# KiCad board pcb_l.kicad_pcb
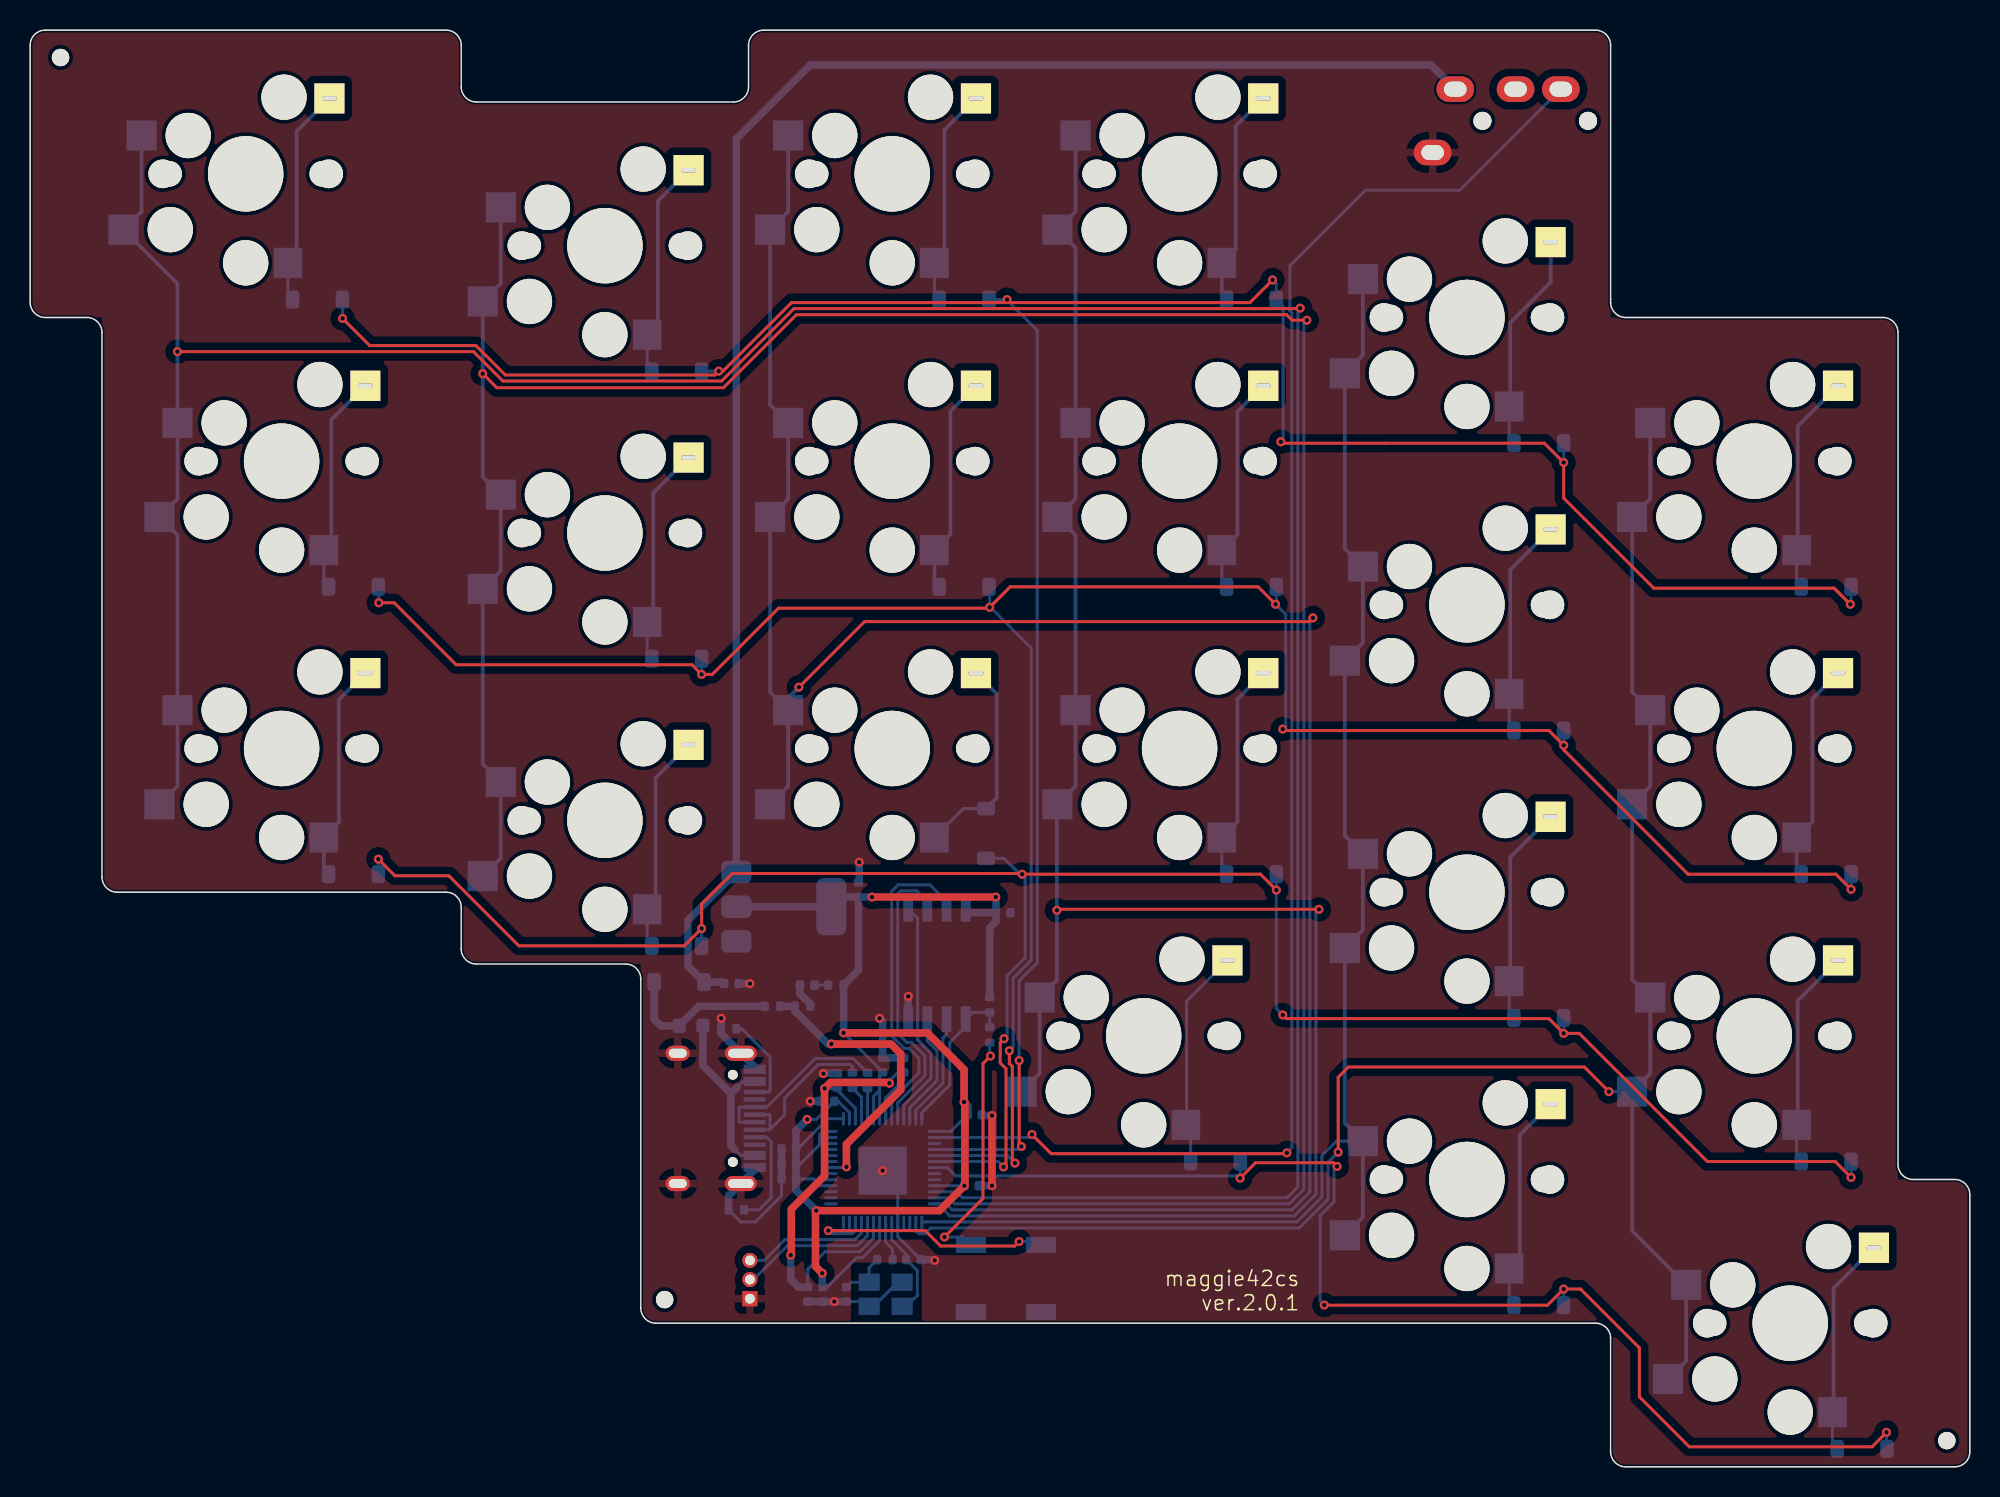
[diagram p0: board, top side]
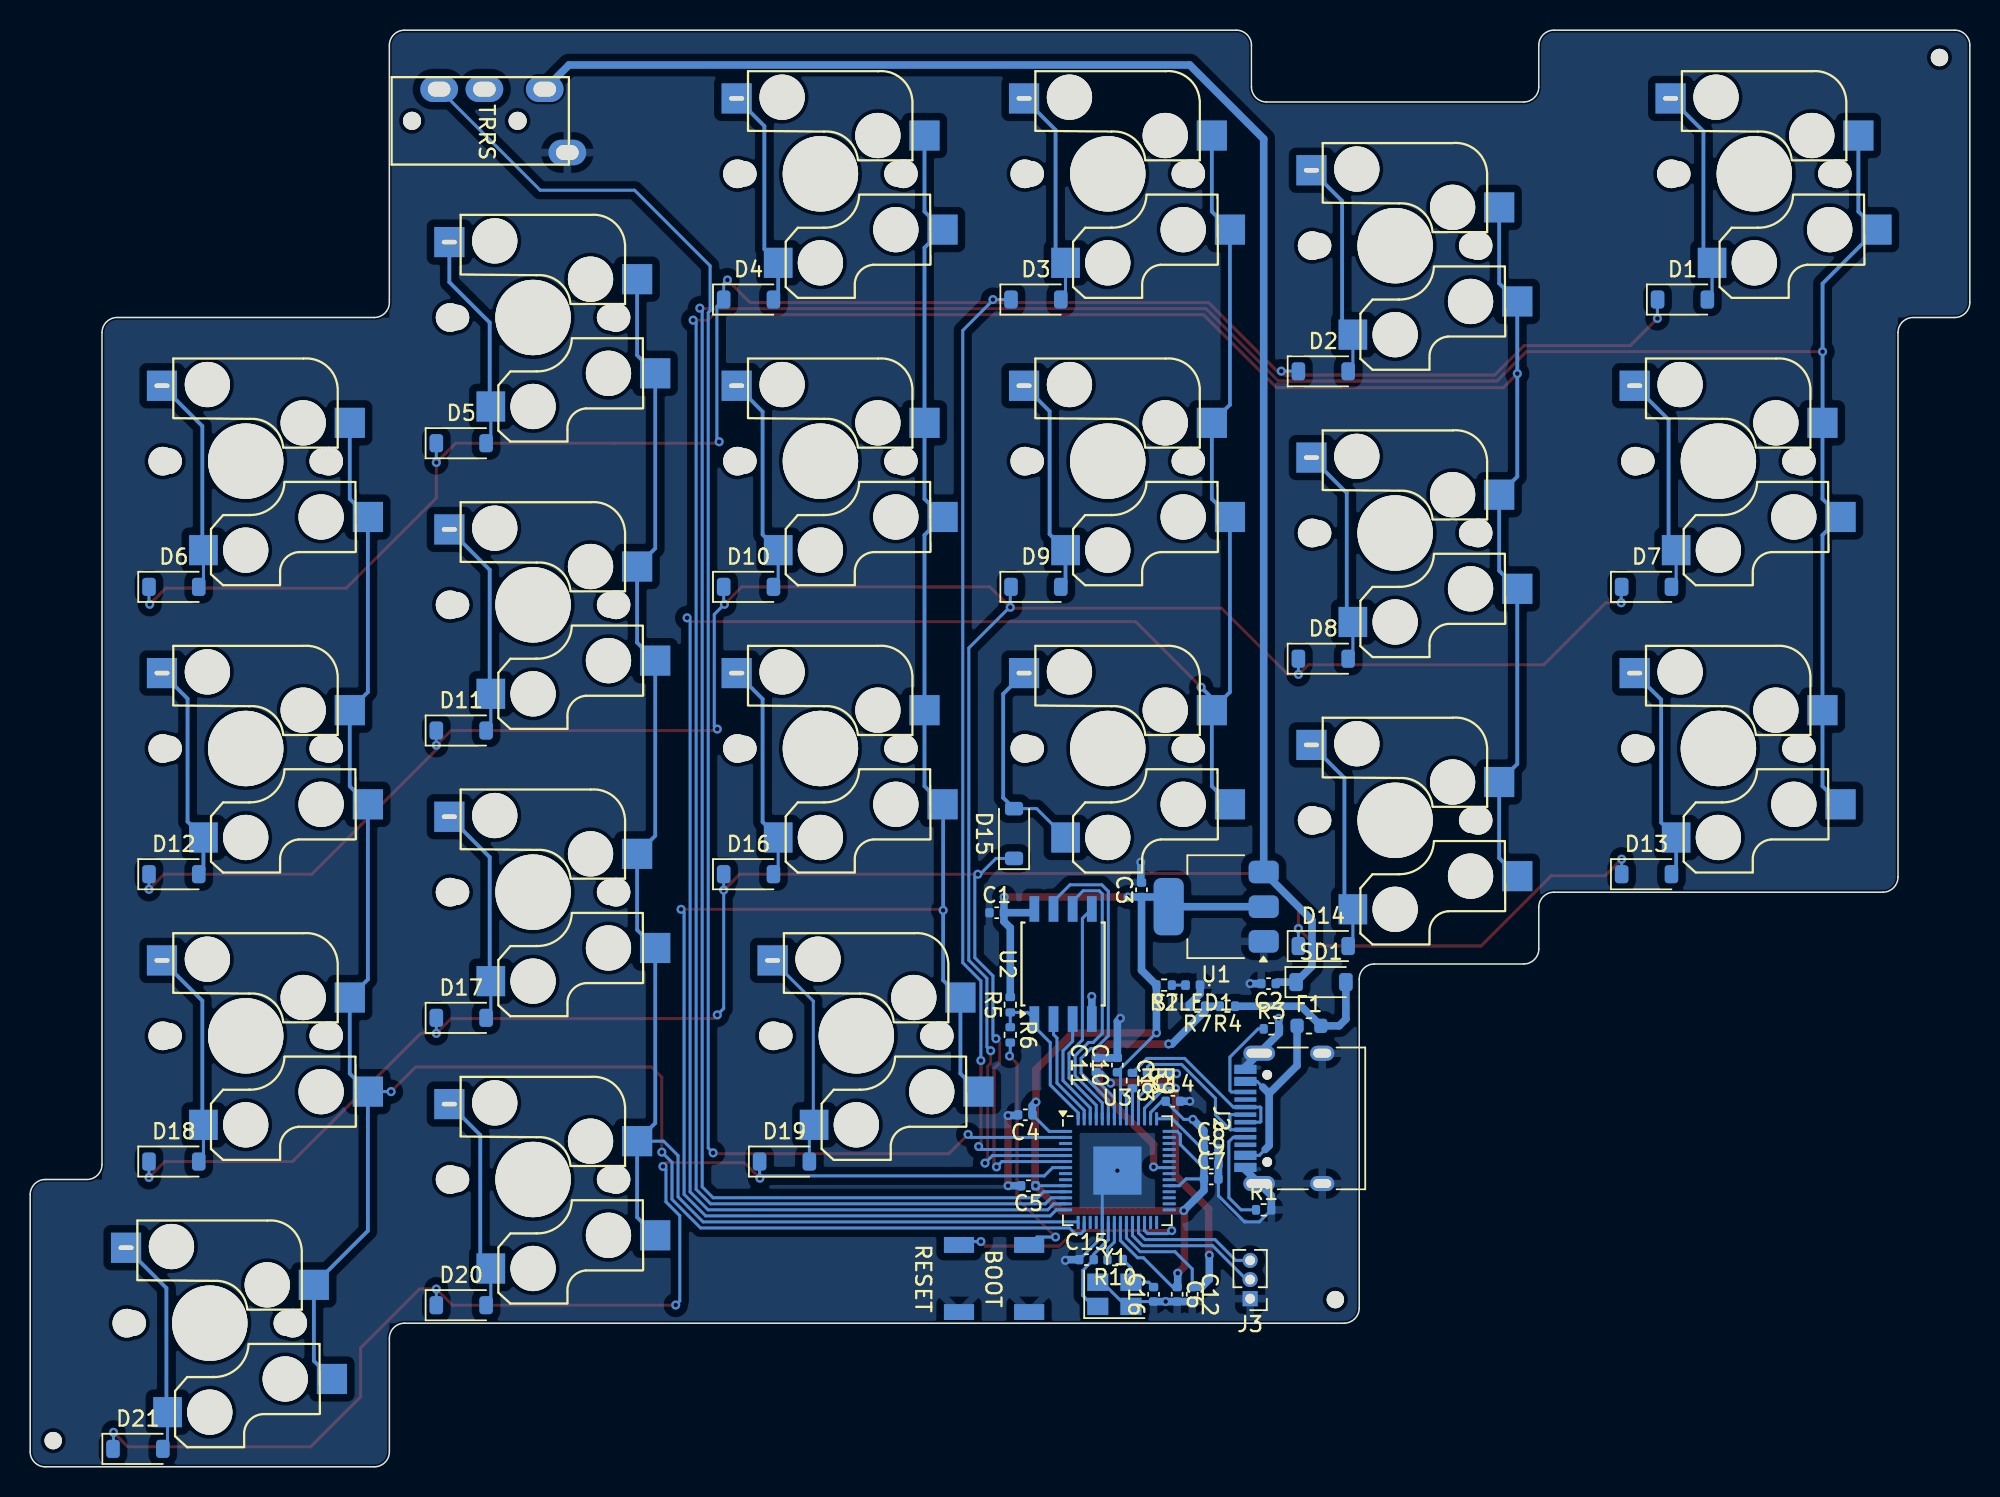
[diagram p1: board, bottom side, seen from below]

Outline 128.59 x 95.25 mm; copper layers: Top, Bottom. Coordinates in mm from the lower left corner of the outline.
Outline path: 0,94.25 arc(0.29,94.96) 1,95.25 27.57,95.25 arc(28.28,94.96) 28.57,94.25 28.57,91.49 arc(28.87,90.78) 29.57,90.49 46.62,90.49 arc(47.33,90.78) 47.62,91.49 47.62,94.25 arc(47.92,94.96) 48.62,95.25 103.78,95.25 arc(104.48,94.96) 104.78,94.25 104.78,77.2 arc(105.07,76.49) 105.78,76.2 122.83,76.2 arc(123.53,75.91) 123.83,75.2 123.83,20.05 arc(124.12,19.34) 124.83,19.05 127.59,19.05 arc(128.29,18.76) 128.59,18.05 128.59,1 arc(128.29,0.29) 127.59,0 105.78,0 arc(105.07,0.29) 104.78,1 104.78,8.52 arc(104.48,9.23) 103.78,9.52 41.48,9.52 arc(40.77,9.82) 40.48,10.52 40.48,32.34 arc(40.19,33.04) 39.48,33.34 29.57,33.34 arc(28.87,33.63) 28.57,34.34 28.57,37.1 arc(28.28,37.81) 27.57,38.1 5.76,38.1 arc(5.06,38.39) 4.76,39.1 4.76,75.2 arc(4.47,75.91) 3.76,76.2 1,76.2 arc(0.29,76.49) 0,77.2 0,94.25
Stack: Top 0.035mm / dielectric 1.51mm FR4 er 4.5 / Bottom 0.035mm

## Placement (name value [footprint] x y rotation side)
C1  100n  [C_0402_1005Metric]  64.51 36.74 180 bottom
C2  10u  [C_0402_1005Metric]  46.49 32.04 0 bottom
C3  10u  [C_0402_1005Metric]  54.91 38.26 90 bottom
C4  100n  [C_0402_1005Metric]  62.61 23.34 0 bottom
C5  100n  [C_0402_1005Metric]  62.41 18.64 0 bottom
C6  100n  [C_0402_1005Metric]  52.55 11.44 270 bottom
C7  100n  [C_0402_1005Metric]  50.29 19.09 180 bottom
C8  100n  [C_0402_1005Metric]  50.29 21.09 180 bottom
C9  100n  [C_0402_1005Metric]  50.29 20.09 180 bottom
C10  100n  [C_0402_1005Metric]  56.51 26.64 90 bottom
C11  100n  [C_0402_1005Metric]  57.91 26.64 90 bottom
C12  100n  [C_0402_1005Metric]  51.55 11.44 270 bottom
C13  1u  [C_0402_1005Metric]  53.51 25.62 90 bottom
C14  1u  [C_0402_1005Metric]  52.83 24.24 180 bottom
C15  27p  [C_0402_1005Metric]  58.56 13.74 180 bottom
C16  27p  [C_0402_1005Metric]  54.11 11.44 90 bottom
D1  D  [D_SOD-123]  19.05 77.39 180 bottom
D2  D  [D_SOD-123]  42.86 72.63 180 bottom
D3  D  [D_SOD-123]  61.91 77.39 180 bottom
D4  D  [D_SOD-123]  80.96 77.39 180 bottom
D5  D  [D_SOD-123]  100.01 67.87 180 bottom
D6  D  [D_SOD-123]  119.06 58.34 180 bottom
D7  D  [D_SOD-123]  21.43 58.34 180 bottom
D8  D  [D_SOD-123]  42.86 53.58 180 bottom
D9  D  [D_SOD-123]  61.91 58.34 180 bottom
D10  D  [D_SOD-123]  80.96 58.34 180 bottom
D11  D  [D_SOD-123]  100.01 48.82 180 bottom
D12  D  [D_SOD-123]  119.06 39.29 180 bottom
D13  D  [D_SOD-123]  21.43 39.29 180 bottom
D14  D  [D_SOD-123]  42.86 34.53 180 bottom
D15  D  [D_SOD-123]  63.36 41.99 90 bottom
D16  D  [D_SOD-123]  80.96 39.29 180 bottom
D17  D  [D_SOD-123]  100.01 29.77 180 bottom
D18  D  [D_SOD-123]  119.06 20.24 180 bottom
D19  D  [D_SOD-123]  78.58 20.24 180 bottom
D20  D  [D_SOD-123]  100.01 10.72 180 bottom
D21  D  [D_SOD-123]  121.44 1.19 180 bottom
F1  ~  [Fuse_0603_1608Metric]  43.81 29.24 180 bottom
J1  AudioJack3  [MJ-4PP-9_1side]  104.78 89.24 90 bottom
J2  USB_C_Receptacle_USB2.0_16P  [USB_C_Receptacle_HRO_TYPE-C-31-M-12]  43.98 23.1 90 bottom
J3  Conn_01x03_Pin  [PinHeader_1x03_P1.27mm_Vertical]  47.71 11.15 0 bottom
R1  5.1k  [R_0402_1005Metric]  46.81 17.04 180 bottom
R2  1k  [R_0402_1005Metric]  53.41 31.94 0 bottom
R3  5.1k  [R_0402_1005Metric]  46.3 29.04 180 bottom
R4  5.6k  [R_0402_1005Metric]  49.21 30.54 0 bottom
R5  10k  [R_0402_1005Metric]  63.61 30.64 90 bottom
R6  1k  [R_0402_1005Metric]  63.61 28.64 270 bottom
R7  10k  [R_0402_1005Metric]  51.21 30.54 0 bottom
R8  27  [R_0402_1005Metric]  55.51 25.61 270 bottom
R9  27  [R_0402_1005Metric]  54.51 25.62 270 bottom
R10  1k  [R_0402_1005Metric]  56.66 13.74 0 bottom
REF**  -  [JLCPCB Tooling Hole]  42.06 11.09 0 top
REF**#2  -  [JLCPCB Tooling Hole]  2.01 93.44 0 top
REF**#3  -  [JLCPCB Tooling Hole]  127.06 1.74 0 top
SD1  ~  [D_SOD-123]  43.01 32.14 180 bottom
SMDSW1  BOOT  [TS-1088R-02026]  62.36 12.49 90 bottom
SMDSW2  RESET  [TS-1088R-02026]  67.01 12.49 90 bottom
STLED1  GREEN  [LED_0402_1005Metric]  51.51 31.94 0 bottom
SW1  SW_PUSH  [CherryMX_ChocV2_Hotswap_1.5u]  14.29 85.72 0 top
SW2  SW_PUSH  [CherryMX_ChocV2_Hotswap]  38.1 80.96 0 top
SW3  SW_PUSH  [CherryMX_ChocV2_Hotswap]  57.15 85.72 0 top
SW4  SW_PUSH  [CherryMX_ChocV2_Hotswap]  76.2 85.72 0 top
SW5  SW_PUSH  [CherryMX_ChocV2_Hotswap]  95.25 76.2 0 top
SW6  SW_PUSH  [CherryMX_ChocV2_Hotswap]  114.3 66.67 0 top
SW7  SW_PUSH  [CherryMX_ChocV2_Hotswap_1.25u]  16.67 66.67 0 top
SW8  SW_PUSH  [CherryMX_ChocV2_Hotswap]  38.1 61.91 0 top
SW9  SW_PUSH  [CherryMX_ChocV2_Hotswap]  57.15 66.67 0 top
SW10  SW_PUSH  [CherryMX_ChocV2_Hotswap]  76.2 66.67 0 top
SW11  SW_PUSH  [CherryMX_ChocV2_Hotswap]  95.25 57.15 0 top
SW12  SW_PUSH  [CherryMX_ChocV2_Hotswap]  114.3 47.62 0 top
SW13  SW_PUSH  [CherryMX_ChocV2_Hotswap_1.25u]  16.67 47.62 0 top
SW14  SW_PUSH  [CherryMX_ChocV2_Hotswap]  38.1 42.86 0 top
SW15  SW_PUSH  [CherryMX_ChocV2_Hotswap]  57.15 47.62 0 top
SW16  SW_PUSH  [CherryMX_ChocV2_Hotswap]  76.2 47.62 0 top
SW17  SW_PUSH  [CherryMX_ChocV2_Hotswap]  95.25 38.1 0 top
SW18  SW_PUSH  [CherryMX_ChocV2_Hotswap]  114.3 28.57 0 top
SW19  SW_PUSH  [CherryMX_ChocV2_Hotswap_1.25u]  73.82 28.57 0 top
SW20  SW_PUSH  [CherryMX_ChocV2_Hotswap]  95.25 19.05 0 top
SW21  SW_PUSH  [CherryMX_ChocV2_Hotswap_1.25u]  116.68 9.52 0 top
U1  NCP1117-3.3_SOT223  [SOT-223-3_TabPin2]  49.96 37.14 0 bottom
U2  W25Q128JVSIQ  [SOIC-8W_5.3x5.3mm_P1.27mm]  60.11 33.34 90 bottom
U3  RP2040  [QFN-56-1EP_7x7mm_P0.4mm_EP3.2x3.2mm]  56.51 19.64 180 bottom
Y1  12MHz  [Crystal_SMD_SeikoEpson_TSX3225-4Pin_3.2x2.5mm]  56.71 11.44 180 bottom

## Library data of the parts
C1 C4-C12 = -: Description: Unpolarized capacitor, small symbol; LCSC: C1525; ki_fp_filters: C_*
C2 C3 = -: Description: Unpolarized capacitor, small symbol; LCSC: C15525; ki_fp_filters: C_*
C13 C14 = -: Description: Unpolarized capacitor, small symbol; LCSC: C52923; ki_fp_filters: C_*
C15 C16 = -: Description: Unpolarized capacitor, small symbol; LCSC: C1557; ki_fp_filters: C_*
D1-D21 = -: Description: Diode, small symbol; Sim.Pins: 1=K 2=A; LCSC: C81598; ki_fp_filters: TO-???* *_Diode_* *SingleDiode* D_*
F1 = -: Description: Resettable fuse, polymeric positive temperature coefficient, small symbol; LCSC: C2757930; ki_fp_filters: *polyfuse* *PTC*
J1 = -: Description: 4-pin (audio) jack receptable (stereo + 4th pin/TRRS connector), compatible with PJ320A; LCSC: C22459514
J2 = -: Datasheet: https://www.usb.org/sites/default/files/documents/usb_type-c.zip; Description: USB 2.0-only 16P Type-C Receptacle connector; LCSC: C165948; ki_fp_filters: USB*C*Receptacle*
J3 = -: Description: Generic connector, single row, 01x03, script generated; ki_fp_filters: Connector*:*_1x??_*
R1 R3 = -: Description: Resistor, small symbol; LCSC: C25905; ki_fp_filters: R_*
R2 R6 R10 = -: Description: Resistor, small symbol; LCSC: C11702; ki_fp_filters: R_*
R4 = -: Description: Resistor, small symbol; LCSC: C25908; ki_fp_filters: R_*
R5 R7 = -: Description: Resistor, small symbol; LCSC: C25744; ki_fp_filters: R_*
R8 R9 = -: Description: Resistor, small symbol; LCSC: C25100; ki_fp_filters: R_*
SD1 = -: Description: Schottky diode, small symbol; LCSC: C8598; ki_fp_filters: TO-???* *_Diode_* *SingleDiode* D_*
SMDSW1 SMDSW2 = -: Description: Push button switch, generic, two pins; LCSC: C455280
STLED1 = -: Description: Light emitting diode, small symbol; LCSC: C130723; ki_fp_filters: LED* LED_SMD:* LED_THT:*
SW1-SW21 = -: Description: Push button switch, generic, two pins
U1 = -: Datasheet: http://www.onsemi.com/pub_link/Collateral/NCP1117-D.PDF; Description: 1A Low drop-out regulator, Fixed Output 3.3V, SOT-223; LCSC: C347222; ki_fp_filters: SOT?223*TabPin2*
U2 = -: Datasheet: http://www.winbond.com/resource-files/w25q128jv_dtr%20revc%2003272018%20plus.pdf; Description: 128Mb Serial Flash Memory, Standard/Dual/Quad SPI, SOIC-8; LCSC: C97521; ki_fp_filters: SOIC*5.23x5.23mm*P1.27mm*
U3 = -: Datasheet: https://datasheets.raspberrypi.com/rp2040/rp2040-datasheet.pdf; Description: A microcontroller by Raspberry Pi; LCSC: C2040; ki_fp_filters: QFN*1EP*7x7mm?P0.4mm*
Y1 = -: Description: Four pin crystal, GND on pins 2 and 4, small symbol; LCSC: C91749; ki_fp_filters: Crystal*

## Footprints (pads in the part's own frame, mm; a bottom-side part is the same pattern mirrored in y, then rotated)
C_0402_1005Metric
  rrect 0.56x0.62 smd: 1(-0.48,0) 2(0.48,0)
CherryMX_ChocV2_Hotswap
  round 1.9 hole 1.9 unplated: (-5.5,0) (5.5,0)
  round 1.7 hole 1.7 unplated: (-5.08,0) (5.08,0)
  round 3 hole 3 unplated: (-5,-3.7) (-3.81,2.54) (0,-5.9) (2.54,5.08)
  round 4 hole 4 unplated: (0,0)
  round 5 hole 5 unplated: (0,0)
  rect 2x2 smd far side: 1(-8.1,-3.7) 1(-6.9,2.54)
  rect 1.9x2 smd far side: 2(2.8,-5.9)
  rect 2x2 hole 1x0.3: 2(5.55,5)
CherryMX_ChocV2_Hotswap_1.5u
  round 1.9 hole 1.9 unplated: (-5.5,0) (5.5,0)
  round 1.7 hole 1.7 unplated: (-5.08,0) (5.08,0)
  round 3 hole 3 unplated: (-5,-3.7) (-3.81,2.54) (0,-5.9) (2.54,5.08)
  round 4 hole 4 unplated: (0,0)
  round 5 hole 5 unplated: (0,0)
  rect 2x2 smd far side: 1(-8.1,-3.7) 1(-6.9,2.54)
  rect 1.9x2 smd far side: 2(2.8,-5.9)
  rect 2x2 hole 1x0.3: 2(5.55,5)
CherryMX_ChocV2_Hotswap_1.25u
  round 1.9 hole 1.9 unplated: (-5.5,0) (5.5,0)
  round 1.7 hole 1.7 unplated: (-5.08,0) (5.08,0)
  round 3 hole 3 unplated: (-5,-3.7) (-3.81,2.54) (0,-5.9) (2.54,5.08)
  round 4 hole 4 unplated: (0,0)
  round 5 hole 5 unplated: (0,0)
  rect 2x2 smd far side: 1(-8.1,-3.7) 1(-6.9,2.54)
  rect 1.9x2 smd far side: 2(2.8,-5.9)
  rect 2x2 hole 1x0.3: 2(5.55,5)
Crystal_SMD_SeikoEpson_TSX3225-4Pin_3.2x2.5mm
  rect 1.4x1.15 smd: 1(-1.1,-0.8) 2(1.1,-0.8) 3(1.1,0.8) 4(-1.1,0.8)
D_SOD-123
  rrect 0.9x1.2 smd: 1(-1.65,0) 2(1.65,0)
Fuse_0603_1608Metric
  rrect 0.875x0.95 smd: 1(-0.787,0) 2(0.787,0)
JLCPCB Tooling Hole
  round 1.3 hole 1.152 unplated: (0,0)
LED_0402_1005Metric
  rrect 0.59x0.64 smd: 1(-0.485,0) 2(0.485,0)
MJ-4PP-9_1side
  round 1.2 hole 1.2 unplated: (0,-8.5) (0,-1.5)
  oval 1.7x2.5 hole 1x1.5: A(-2.1,-11.8) B(2.1,-3.3) C(2.1,-6.3) D(2.1,-10.3)
PinHeader_1x03_P1.27mm_Vertical
  rect 1x1 hole 0.65: 1(0,0)
  oval 1x1 hole 0.65: 2(0,-1.27) 3(0,-2.54)
QFN-56-1EP_7x7mm_P0.4mm_EP3.2x3.2mm
  rrect 1.29x1.29 smd: (-0.8,-0.8) (-0.8,0.8) (0.8,-0.8) (0.8,0.8)
  rrect 0.875x0.2 smd: 1(-3.438,2.6) 2(-3.438,2.2) 3(-3.438,1.8) 4(-3.438,1.4) 5(-3.438,1) 6(-3.438,0.6) 7(-3.438,0.2) 8(-3.438,-0.2) 9(-3.438,-0.6) 10(-3.438,-1) 11(-3.438,-1.4) 12(-3.438,-1.8) 13(-3.438,-2.2) 14(-3.438,-2.6) 29(3.438,-2.6) 30(3.438,-2.2) 31(3.438,-1.8) 32(3.438,-1.4) 33(3.438,-1) 34(3.438,-0.6) 35(3.438,-0.2) 36(3.438,0.2) 37(3.438,0.6) 38(3.438,1) 39(3.438,1.4) 40(3.438,1.8) 41(3.438,2.2) 42(3.438,2.6)
  rrect 0.2x0.875 smd: 15(-2.6,-3.438) 16(-2.2,-3.438) 17(-1.8,-3.438) 18(-1.4,-3.438) 19(-1,-3.438) 20(-0.6,-3.438) 21(-0.2,-3.438) 22(0.2,-3.438) 23(0.6,-3.438) 24(1,-3.438) 25(1.4,-3.438) 26(1.8,-3.438) 27(2.2,-3.438) 28(2.6,-3.438) 43(2.6,3.438) 44(2.2,3.438) 45(1.8,3.438) 46(1.4,3.438) 47(1,3.438) 48(0.6,3.438) 49(0.2,3.438) 50(-0.2,3.438) 51(-0.6,3.438) 52(-1,3.438) 53(-1.4,3.438) 54(-1.8,3.438) 55(-2.2,3.438) 56(-2.6,3.438)
  rect 3.2x3.2 smd: 57(0,0)
R_0402_1005Metric
  rrect 0.54x0.64 smd: 1(-0.51,0) 2(0.51,0)
SOIC-8W_5.3x5.3mm_P1.27mm
  rect 1.7x0.65 smd: 1(-3.65,1.905) 2(-3.65,0.635) 3(-3.65,-0.635) 4(-3.65,-1.905) 5(3.65,-1.905) 6(3.65,-0.635) 7(3.65,0.635) 8(3.65,1.905)
SOT-223-3_TabPin2
  rrect 2x1.5 smd: 1(-3.15,2.3) 2(-3.15,0) 3(-3.15,-2.3)
  rrect 2x3.8 smd: 2(3.15,0)
TS-1088R-02026
  rect 1.05x2 smd: 1(-2.225,0) 2(2.225,0)
USB_C_Receptacle_HRO_TYPE-C-31-M-12
  round 0.65 hole 0.65 unplated: (-2.89,2.6) (2.89,2.6)
  rect 0.6x1.45 smd: A1(-3.25,4.045) A4(-2.45,4.045) A9(2.45,4.045) A12(3.25,4.045) B1(3.25,4.045) B4(2.45,4.045) B9(-2.45,4.045) B12(-3.25,4.045)
  rect 0.3x1.45 smd: A5(-1.25,4.045) A6(-0.25,4.045) A7(0.25,4.045) A8(1.25,4.045) B5(1.75,4.045) B6(0.75,4.045) B7(-0.75,4.045) B8(-1.75,4.045)
  oval 1x1.6 hole 0.6x1.2: S1(-4.32,-1.05) S1(4.32,-1.05)
  oval 1x2.1 hole 0.6x1.7: S1(-4.32,3.13) S1(4.32,3.13)

## Nets
+1V1: C11.1 C12.1 C13.1 U3.23 U3.45 U3.50
+3V3: C1.2 C3.1 C4.1 C5.1 C6.1 C7.1 C8.1 C9.1 C10.1 C14.1 R2.2 R5.2 U1.2 U2.8 U3.1 U3.10 U3.22 U3.33 U3.42 U3.43 U3.44 U3.48 U3.49
+5V: C2.1 J1.D SD1.1 U1.3
GND: C1.1 C2.2 C3.2 C4.2 C5.2 C6.2 C7.2 C8.2 C9.2 C10.2 C11.2 C12.2 C13.2 C14.2 C15.1 C16.1 J1.A J2.A1 J2.A12 J2.B1 J2.B12 J2.S1 J3.1 R1.2 R3.2 R7.2 SMDSW1.1 SMDSW2.1 STLED1.1 U1.1 U2.4 U3.19 U3.57 Y1.2 Y1.4
VBUS: F1.1 J2.A4 J2.A9 J2.B4 J2.B9
COL0: SW1.1 SW7.1 SW13.1 U3.11
COL1: SW2.1 SW8.1 SW14.1 U3.12
COL2: SW3.1 SW9.1 SW15.1 U3.13
COL3: SW4.1 SW10.1 SW16.1 SW19.1 U3.14
COL4: SW5.1 SW11.1 SW17.1 SW20.1 U3.15
COL5: SW6.1 SW12.1 SW18.1 SW21.1 U3.16
CONN: J1.B U3.2
D+: J2.A6 J2.B6 R8.1
D-: J2.A7 J2.B7 R9.1
QSPI_SCLK: U2.6 U3.52
QSPI_SD0: U2.5 U3.53
QSPI_SD1: U2.2 U3.55
QSPI_SD2: U2.3 U3.54
QSPI_SD3: U2.7 U3.51
QSPI_SS: R5.1 R6.1 U2.1 U3.56
ROW0: D1.1 D2.1 D3.1 D4.1 D5.1 D6.1 U3.4
ROW1: D7.1 D8.1 D9.1 D10.1 D11.1 D12.1 U3.5
ROW2: D13.1 D14.1 D15.1 D16.1 D17.1 D18.1 U3.6
ROW3: D19.1 D20.1 D21.1 U3.7
SPLIT_USB_DETECT: R4.2 R7.1 U3.36
Net-(C16-Pad2): C16.2 R10.1 Y1.3
Net-(D1-A): D1.2 SW1.2
Net-(D2-A): D2.2 SW2.2
Net-(D3-A): D3.2 SW3.2
Net-(D4-A): D4.2 SW4.2
Net-(D5-A): D5.2 SW5.2
Net-(D6-A): D6.2 SW6.2
Net-(D7-A): D7.2 SW7.2
Net-(D8-A): D8.2 SW8.2
Net-(D9-A): D9.2 SW9.2
Net-(D10-A): D10.2 SW10.2
Net-(D11-A): D11.2 SW11.2
Net-(D12-A): D12.2 SW12.2
Net-(D13-A): D13.2 SW13.2
Net-(D14-A): D14.2 SW14.2
Net-(D15-A): D15.2 SW15.2
Net-(D16-A): D16.2 SW16.2
Net-(D17-A): D17.2 SW17.2
Net-(D18-A): D18.2 SW18.2
Net-(D19-A): D19.2 SW19.2
Net-(D20-A): D20.2 SW20.2
Net-(D21-A): D21.2 SW21.2
Net-(J2-CC1): J2.A5 R1.1
Net-(J2-CC2): J2.B5 R3.1
Net-(J3-Pin_2): J3.2 U3.24
Net-(J3-Pin_3): J3.3 U3.25
Net-(R6-Pad2): R6.2 SMDSW1.2
Net-(SD1-A): F1.2 R4.1 SD1.2
Net-(STLED1-A): R2.1 STLED1.2
Net-(U3-RUN): SMDSW2.2 U3.26
Net-(U3-USB_DM): R9.2 U3.46
Net-(U3-USB_DP): R8.2 U3.47
Net-(U3-XIN): C15.2 U3.20 Y1.1
Net-(U3-XOUT): R10.2 U3.21

Pads without a net: J1 C; J2 A8 B8; U3 3 8 9 17 18 27 28 29 30 31 32 34 35 37 38 39 40 41

## Via types
v1: diameter 0.6, hole 0.3, Top to Bottom, 73 vias

## Routing (per net, layer and track width the routed paths; a pad name or vN(x,y) marks a point on that pad's centre or on a via; arc(x,y) is an arc through that point)
+1V1: length 35.1
  Top w0.5: v1(56.96,25.44) 56.91,25.49 53.06,25.49 v1(52.66,25.09) 52.66,19.29 50.46,17.09 50.46,14.07 v1(50.42,14.03)
  Bottom w0.2: v1(52.66,25.09) 53.4,25.09 54.71,23.77 U3.45 ; U3.23 55.91,15.17 55.01,14.26 52.7,14.26 51.55,13.12 C12.1 ; U3.50 56.71,24.47 57.91,25.67 C11.1 57.53,26.16 56.96,25.59 v1(56.96,25.44)
  Bottom w0.5: v1(50.42,14.03) 50.42,12.43 50.93,11.92 C12.1
+3V3: length 110
  Top w0.5: v1(53.92,28.77) 59.48,28.77 61.91,26.34 v1(61.91,24.19) 61.96,24.14 61.96,18.67 v1(61.93,18.64) 60.28,16.99 v1(52.11,16.99) 52.06,16.94 52.06,13.29 v1(52.51,12.84) ; v1(64.01,37.78) v1(55.81,37.78)
  Bottom w0.2: v1(51.51,23.04) 52.11,23.04 C14.1 53.56,24.24 54.31,23.49 U3.44 ; U3.43 52.87,23.07 50.89,21.09 C8.1 ; C7.1 51.96,19.09 52.41,18.64 U3.33 ; U3.49 56.31,24.96 ; C4.1 61.03,22.24 U3.1 ; U3.48 55.91,24.56 56.31,24.96 56.31,25.96 C10.1 56.51,26.18 v1(53.92,28.77) ; U3.42 52.54,22.24 52.34,22.03 52.34,21.36 51.06,20.09 C9.1 ; U3.22 56.31,15 55.17,13.86 54.79,13.86 52.84,11.92 C6.1 ; v1(61.93,18.64) U3.10
  Bottom w0.5: v1(64.01,37.78) 64.03,37.76 C1.2 ; R5.2 63.61,35.74 64.03,36.16 C1.2 ; v1(51.51,23.04) 50.77,22.3 C8.1 C9.1 C7.1 50.77,18.33 v1(52.11,16.99) ; v1(53.92,28.77) R2.2 54.91,32.93 C3.1 ; v1(55.81,37.78) 53.75,37.78 U1.2 U1.2 ; C4.1 62.16,23.37 62.16,23.94 v1(61.91,24.19) ; U2.8 62.27,36.74 C1.2 ; v1(52.51,12.84) 52.51,11.95 C6.1
+5V: length 109.4
  Bottom w0.5: C2.1 45.91,32.14 SD1.1 43.61,33.19 43.61,36.24 U1.3 46.81,88.04 51.71,92.94 92.88,92.94 J1.D
GND: length 47.4
  Top w0.5: v1(63.76,18.64) v1(63.76,23.29)
  Bottom w0.2: v1(56.51,19.64) 57.51,18.64 U3.19 57.51,15.27 C15.1 ; R1.2 47.1,16.24 48.08,16.24 49.81,17.97 C7.2 ; C16.1 55.29,10.96 Y1.2 55.91,10.64 57.51,12.24 Y1.4
  Bottom w0.5: C12.2 C6.2 v1(53.31,10.96) C16.1 ; v1(56.31,29.74) 56.51,29.54 C10.2 57.51,27.12 ; C2.2 v1(47.71,32.04) ; R1.2 46.3,17.97 J2.S1 48.03,19.7 J2.A1 ; STLED1.1 51.03,31.36 51.72,30.67 R7.2 ; v1(52.59,26.07) 52.62,26.1 C13.2 ; C8.2 C9.2 C7.2 ; v1(59.96,13.69) 59.91,13.74 C15.1 ; J2.A12 48.03,26.51 J2.S1 45.79,28.74 R3.2 45.81,29.06 v1(45.81,29.74) ; v1(54.96,40.09) 54.96,38.79 C3.2 ; v1(58.21,31.19) 58.21,31.18 U2.4 ; v1(63.76,18.64) C5.2 62.96,18.57 ; C4.2 63.14,23.29 v1(63.76,23.29) ; C14.2 v1(51.71,24.24)
VBUS: length 12.5
  Bottom w0.2: 46.71,21.04 47.1,20.65 J2.A4 ; 46.88,25.17 47.25,25.55 J2.A9
  Bottom w0.5: 46.71,21.04 46.45,21.3 46.45,24.75 ; 46.45,24.75 44.6,26.6 F1.1 ; 46.45,24.75 46.88,25.17
COL0: length 207.9
  Top w0.2: v1(9.76,73.94) 29.39,73.94 31.34,71.99 45.84,71.99 50.64,76.79 84.16,76.79 v1(84.19,76.82)
  Bottom w0.2: v1(84.19,76.82) 84.04,76.66 84.04,18.56 83.31,17.84 61.8,17.84 61.4,18.24 U3.11
  Bottom w0.25: SW13.1 9.77,45.12 SW13.1 9.77,61.77 SW7.1 9.77,64.17 SW7.1 9.76,69.22 v1(9.76,73.94) 9.76,78.45 SW1.1 7.39,83.22 7.39,88.26
COL1: length 186.8
  Top w0.2: v1(84.64,76.02) 83.65,76.02 83.29,76.39 50.8,76.39 45.96,71.55 30.93,71.55 v1(30,72.48)
  Bottom w0.2: U3.12 60.89,17.84 61.29,17.44 83.48,17.44 84.44,18.4 84.44,75.82 v1(84.64,76.02)
  Bottom w0.25: SW14.1 31.2,40.36 31.2,45.4 30,46.6 SW8.1 31.2,59.41 SW8.1 30,65.65 30,72.48 v1(30,72.48) 30,72.48 SW2.1 31.2,78.46 SW2.1
COL2: length 148.3
  Top w0.2: v1(50.96,51.69) 55.31,56.04 84.79,56.04 v1(85.04,56.29)
  Bottom w0.2: U3.13 60.73,17.44 61.13,17.04 83.64,17.04 84.84,18.23 84.84,56.09 v1(85.04,56.29)
  Bottom w0.25: SW15.1 49.05,51.36 SW9.1 50.25,64.17 SW9.1 49.05,70.41 SW3.1 50.25,83.22 SW3.1 ; v1(50.96,51.69) 50.25,50.97 50.25,45.12 SW15.1
COL3: length 129.4
  Top w0.2: v1(68.06,36.9) 68.13,36.96 v1(85.44,36.96)
  Bottom w0.2: v1(85.44,36.96) 85.24,36.76 85.24,18.07 83.81,16.64 60.96,16.64 60.56,17.04 U3.14 ; 68.17,43.92 SW16.1
  Bottom w0.25: SW4.1 69.3,83.22 SW4.1 69.3,80.82 SW10.1 69.3,64.17 SW10.1 69.3,61.77 SW16.1 69.3,45.12 SW16.1 68.06,43.89 68.06,32.26 SW19.1 66.92,26.07 SW19.1
COL4: length 99.9
  Bottom w0.2: SW20.1 86.59,21.59 85.64,20.64 85.64,17.9 83.98,16.24 59.15,16.24 U3.15
  Bottom w0.25: SW5.1 88.35,73.7 SW5.1 87.15,60.89 SW11.1 88.35,54.65 SW11.1 87.15,41.84 SW17.1 88.35,35.6 SW17.1 87.15,22.79 SW20.1 88.35,16.55 SW20.1
COL5: length 125.6
  Top w0.2: v1(86.71,20.86) 86.71,25.83 87.39,26.51 103.03,26.51 v1(104.66,24.88)
  Bottom w0.2: U3.16 58.71,15.67 58.92,15.46 59.31,15.46 59.69,15.84 84.14,15.84 86.04,17.73 86.04,20.19 v1(86.71,20.86) ; v1(104.66,24.88) SW18.1
  Bottom w0.25: SW6.1 107.4,64.17 SW6.1 106.2,51.36 SW12.1 107.4,45.12 SW12.1 106.2,32.31 SW18.1 107.4,26.07 SW18.1 106.2,15.65 SW21.1 109.78,7.02 SW21.1
CONN: length 105.8
  Top w0.2: v1(66.41,22.04) 67.69,20.76 83.26,20.76 v1(83.31,20.82)
  Bottom w0.2: v1(66.41,22.04) 66.21,21.84 U3.2 ; v1(83.31,20.82) 83.64,21.14 83.64,76.52 83.51,76.65 83.51,79.63 88.52,84.64 94.78,84.64 J1.B
D+: length 12.2
  Bottom w0.2: R8.1 54.55,27.08 52.05,27.08 48.83,23.85 J2.B6 47.05,23.85 47,23.8 47,22.9 47.05,22.85 J2.A6
D-: length 11.4
  Bottom w0.2: J2.A7 49,23.35 49.05,23.3 49.05,22.4 49,22.35 ; 49,22.35 49.03,22.35 50.01,23.34 50.01,24.44 52.25,26.68 54.36,26.68 54.51,26.53 R9.1 ; 49,22.35 J2.B7
QSPI_SCLK: length 19.4
  Bottom w0.2: U2.6 59.48,37.49 58.78,38.19 57.71,38.19 57.51,37.99 57.51,28.74 58.11,28.14 58.43,28.14 59.32,27.25 59.32,25.94 57.51,24.13 U3.52
QSPI_SD0: length 15.3
  Bottom w0.2: U2.5 58.83,36.36 58.83,28.3 59.72,27.42 59.72,25.77 57.91,23.97 U3.53
QSPI_SD1: length 7.5
  Bottom w0.2: U2.2 60.75,28.66 60.52,28.43 60.52,25.44 58.71,23.64 U3.55
QSPI_SD2: length 7.6
  Bottom w0.2: U2.3 59.48,28.22 60.12,27.58 60.12,25.61 58.31,23.8 U3.54
QSPI_SD3: length 21.5
  Bottom w0.2: U3.51 57.11,24.3 58.92,26.11 58.92,27.09 58.27,27.74 57.95,27.74 57.11,28.57 57.11,38.15 57.55,38.59 59.65,38.59 60.75,37.49 U2.7
QSPI_SS: length 10.6
  Bottom w0.2: R6.1 R5.1 62.46,30.13 U2.1 62.02,29.18 60.96,28.13 60.96,25.32 59.11,23.47 U3.56
ROW0: length 190.1
  Top w0.2: v1(82.36,78.69) 80.86,77.19 64.96,77.19 v1(64.76,77.39) 64.56,77.19 50.47,77.19 45.93,72.64 v1(45.65,72.64) 45.39,72.39 31.5,72.39 29.55,74.34 22.51,74.34 v1(20.71,76.14) ; v1(120.66,57.19) 119.59,58.26 107.63,58.26 101.66,64.23 v1(101.66,66.59) 100.38,67.87 89.83,67.87 89.83,67.86 83.01,67.86 v1(82.91,67.96) ; v1(65.56,26.94) 65.56,21.39 v1(65.71,21.24)
  Bottom w0.2: v1(120.66,57.19) 120.71,57.24 D6.1 ; v1(82.36,78.69) 82.61,78.44 D4.1 83.06,76.94 83.06,68.11 v1(82.91,67.96) ; v1(101.66,66.59) D5.1 ; D3.1 63.57,77.39 v1(64.76,77.39) 64.76,77.34 66.76,75.34 66.76,33.42 65.56,32.22 v1(65.56,26.94) ; D2.1 44.53,72.64 v1(45.65,72.64) ; U3.4 65.51,21.04 v1(65.71,21.24) ; v1(20.71,76.14) 20.71,77.38 D1.1
ROW1: length 166.1
  Top w0.2: v1(120.71,38.29) 119.71,39.29 109.91,39.29 101.66,47.54 v1(101.66,47.84) 100.68,48.82 83.13,48.82 v1(83.04,48.91) ; v1(23.11,57.29) 24.13,57.29 28.24,53.18 43.87,53.18 v1(44.51,52.54) 45.22,52.54 49.61,56.93 63.55,56.93 v1(63.61,56.99) 64.97,58.34 81.41,58.34 v1(82.56,57.19) ; v1(64.91,27.59) 64.91,26.74 65.11,26.54 65.11,20.31 v1(65.29,20.14)
  Bottom w0.2: D9.1 63.61,58.29 v1(63.61,56.99) 63.66,56.99 66.36,54.29 66.36,33.59 65.16,32.39 65.16,27.84 v1(64.91,27.59) ; D7.1 23.11,58.31 v1(23.11,57.29) ; U3.5 64.79,20.64 v1(65.29,20.14) ; v1(83.04,48.91) 83.24,49.11 83.24,56.51 v1(82.56,57.19) 82.61,57.24 D10.1 ; D11.1 v1(101.66,47.84) ; D12.1 v1(120.71,38.29) ; D8.1 v1(44.51,52.54)
ROW2: length 149.1
  Top w0.2: v1(23.08,40.29) 24.18,39.19 27.75,39.19 32.4,34.54 43.36,34.54 v1(44.51,35.69) 44.51,37.31 46.54,39.34 65.72,39.34 v1(65.76,39.29) 81.56,39.29 v1(82.61,38.24) ; v1(83.04,29.96) 83.28,29.72 100.68,29.72 v1(101.66,28.74) 102.69,28.74 111.19,20.24 119.66,20.24 v1(120.71,19.19) ; v1(64.53,19.89) 64.69,20.05 64.69,26.4 64.31,26.77 64.31,28.14 v1(64.56,28.39)
  Bottom w0.2: v1(23.08,40.29) D13.1 ; D18.1 v1(120.71,19.19) ; v1(83.04,29.96) 82.61,30.39 v1(82.61,38.24) D16.1 ; v1(64.56,28.39) 64.76,28.59 64.76,32.55 65.96,33.75 65.96,39.09 v1(65.76,39.29) 65.61,39.29 64.56,40.34 D15.1 ; D17.1 v1(101.66,28.74) ; v1(44.51,35.69) D14.1 ; v1(64.53,19.89) 64.18,20.24 U3.6
ROW3: length 84.9
  Top w0.2: v1(86.64,19.92) 86.39,20.16 81.24,20.16 v1(80.21,19.14) ; v1(85.79,10.73) 85.8,10.72 100.59,10.72 v1(101.66,11.79) 102.78,11.79 106.68,7.88 106.68,4.64 109.99,1.33 122.1,1.33 v1(123.06,2.29)
  Bottom w0.2: v1(123.06,2.29) 123.06,1.22 D21.1 ; v1(86.64,19.92) 86.44,19.72 86.44,17.57 85.52,16.65 85.52,11 v1(85.79,10.73) ; D19.1 80.23,19.16 v1(80.21,19.14) 80.06,19.29 61.35,19.29 60.8,19.84 U3.7 ; v1(101.66,11.79) D20.1
SPLIT_USB_DETECT: length 19.5
  Top w0.5: v1(54.11,19.89) 54.11,21.39 57.71,24.99 57.71,27.39 57.08,28.02 53.13,28.02 v1(53.11,28.04)
  Bottom w0.2: U3.36 54.06,19.84 v1(54.11,19.89)
  Bottom w0.5: v1(53.11,28.04) 52.88,28.04 50.7,30.22 R7.1 R4.2
Net-(C16-Pad2): length 3.4
  Bottom w0.2: R10.1 55.61,13.2 Y1.3 54.43,12.24 C16.2
Net-(D1-A): length 14.1
  Bottom w0.2: SW1.2 17.09,77.7
  Bottom w0.25: SW1.2 17.66,88.55 17.66,80.4 17.16,79.9
Net-(D2-A): length 13.9
  Bottom w0.2: SW2.2 40.9,72.94
  Bottom w0.25: 41.05,75.22 41.61,75.77 41.61,83.92 SW2.2
Net-(D3-A): length 13.2
  Bottom w0.2: SW3.2 59.95,77.7
  Bottom w0.25: 60.61,80.49 60.61,88.64 SW3.2
Net-(D4-A): length 14.2
  Bottom w0.25: SW4.2 79.91,88.89 79.91,80.74 SW4.2 79,77.7
Net-(D5-A): length 14.1
  Bottom w0.2: SW5.2 98.05,68.18
  Bottom w0.25: SW5.2 100.8,78.54 98.12,75.87 98.12,70.38
Net-(D6-A): length 14.1
  Bottom w0.2: SW6.2 117.1,58.65
  Bottom w0.25: SW6.2 117.18,69 117.18,60.85
Net-(D7-A): length 13.5
  Bottom w0.2: SW7.2 19.47,58.65
  Bottom w0.25: SW7.2 19.97,69.43 19.97,61.28
Net-(D8-A): length 13.6
  Bottom w0.2: SW8.2 40.9,53.89
  Bottom w0.25: 41.31,56.42 41.31,64.57 SW8.2
Net-(D9-A): length 14.2
  Bottom w0.25: SW9.2 61.01,69.98 61.01,61.83 SW9.2 59.95,58.65
Net-(D10-A): length 13.6
  Bottom w0.2: SW10.2 79,58.65
  Bottom w0.25: SW10.2 80.03,69.96 80.03,61.81 79.41,61.18
Net-(D11-A): length 14.1
  Bottom w0.2: SW11.2 98.05,49.13
  Bottom w0.25: SW11.2 98.12,59.47 98.12,51.32
Net-(D12-A): length 14.2
  Bottom w0.25: 117.1,39.6 SW12.2 118.16,42.78 118.16,50.93 SW12.2
Net-(D13-A): length 14.2
  Bottom w0.25: 19.47,39.6 SW13.2 20.46,42.72 20.46,50.87 SW13.2
Net-(D14-A): length 14.1
  Bottom w0.2: SW14.2 40.9,34.84
  Bottom w0.25: SW14.2 41.46,45.67 41.46,37.52 40.98,37.04
Net-(D15-A): length 14.1
  Bottom w0.2: SW15.2 61.86,43.64 D15.2
  Bottom w0.25: SW15.2 64.08,51.24 64.08,44.36 D15.2
Net-(D16-A): length 13.9
  Bottom w0.2: SW16.2 79,39.6
  Bottom w0.25: 79.15,41.88 80.03,42.76 80.03,50.91 SW16.2
Net-(D17-A): length 14.1
  Bottom w0.2: SW17.2 98.05,30.08
  Bottom w0.25: 98.12,32.27 98.12,40.42 SW17.2
Net-(D18-A): length 14.1
  Bottom w0.2: SW18.2 117.1,20.55
  Bottom w0.25: SW18.2 117.18,30.9 117.18,22.75
Net-(D19-A): length 14.6
  Bottom w0.2: SW19.2 76.67,30.88 76.67,22.72 SW19.2 76.93,22.36 D19.2
Net-(D20-A): length 13.2
  Bottom w0.2: SW20.2 98.05,11.03
  Bottom w0.25: SW20.2 98.75,22 98.75,13.85
Net-(D21-A): length 14.1
  Bottom w0.2: SW21.2 119.48,1.5
  Bottom w0.25: 119.56,3.7 119.56,11.85 SW21.2
Net-(J2-CC1): length 7.1
  Bottom w0.2: J2.A5 48.83,21.85 49.12,21.56 49.12,17.85 48.31,17.04 R1.1
Net-(J2-CC2): length 6.3
  Bottom w0.2: R3.1 47.18,29.04 49.05,27.16 49.05,24.95 48.95,24.85 J2.B5
Net-(J3-Pin_2): length 9.9
  Bottom w0.2: J3.2 47.96,12.42 50.2,14.66 54.84,14.66 55.51,15.33 U3.24
Net-(J3-Pin_3): length 8.9
  Bottom w0.2: U3.25 55.11,15.5 54.67,15.06 50.04,15.06 48.66,13.69 J3.3
Net-(R6-Pad2): length 16.1
  Top w0.2: v1(60.61,15.24) 63.16,17.79 63.16,26.74 v1(63.66,27.24)
  Bottom w0.2: v1(60.61,15.24) 61.84,15.24 SMDSW1.2 ; R6.2 63.61,27.29 v1(63.66,27.24)
Net-(SD1-A): length 10.5
  Bottom w0.5: SD1.2 41.36,29.69 41.81,29.24 F1.2 44.32,30.54 R4.1
Net-(STLED1-A): length 0.9
  Bottom w0.2: R2.1 STLED1.2
Net-(U3-RUN): length 17.2
  Top w0.2: v1(65.56,14.94) 65.26,14.64 60.36,14.64 59.34,15.66 v1(52.91,15.66)
  Bottom w0.2: v1(65.56,14.94) 66.79,14.94 SMDSW2.2 ; v1(52.91,15.66) 52.99,15.66 53.19,15.46 54.51,15.46 54.71,15.67 U3.26
Net-(U3-USB_DM): length 2.3
  Bottom w0.2: R9.2 55.11,24.51 U3.46
Net-(U3-USB_DP): length 2
  Bottom w0.2: R8.2 U3.47
Net-(U3-XIN): length 6.8
  Bottom w0.2: U3.20 57.11,15.06 58.08,14.09 C15.2 58.81,13.01 58.81,11.36 58.09,10.64 Y1.1
Net-(U3-XOUT): length 2.9
  Bottom w0.2: U3.21 56.71,14.9 57.17,14.44 R10.2 ; 57.01,13.64 57.21,13.64

## Copper pours and planes (outline as drawn; the poured copper is in the pictures)
GND on Top, Bottom: 0,95.25 104.78,95.25 104.78,76.2 123.83,76.2 123.83,19.05 128.59,19.05 128.59,0 104.78,0 104.78,9.52 40.48,9.52 40.48,33.34 4.76,33.34 4.76,76.2 0,76.2

## Text on the board
F.Silkscreen: maggie42cs / ver.2.0.1
